# Altium PCB PCB1.PcbDoc
Units mm, origin at the board's own origin, x right, y up, seen from the top; angles counter-clockwise.
Board outline 114.43 x 63.75 mm, 2 copper layers (Top Layer, Bottom Layer); 41 components, 43 nets, 211 pads, 0 vias.
Unrouted connection lines stored in the file: 3.
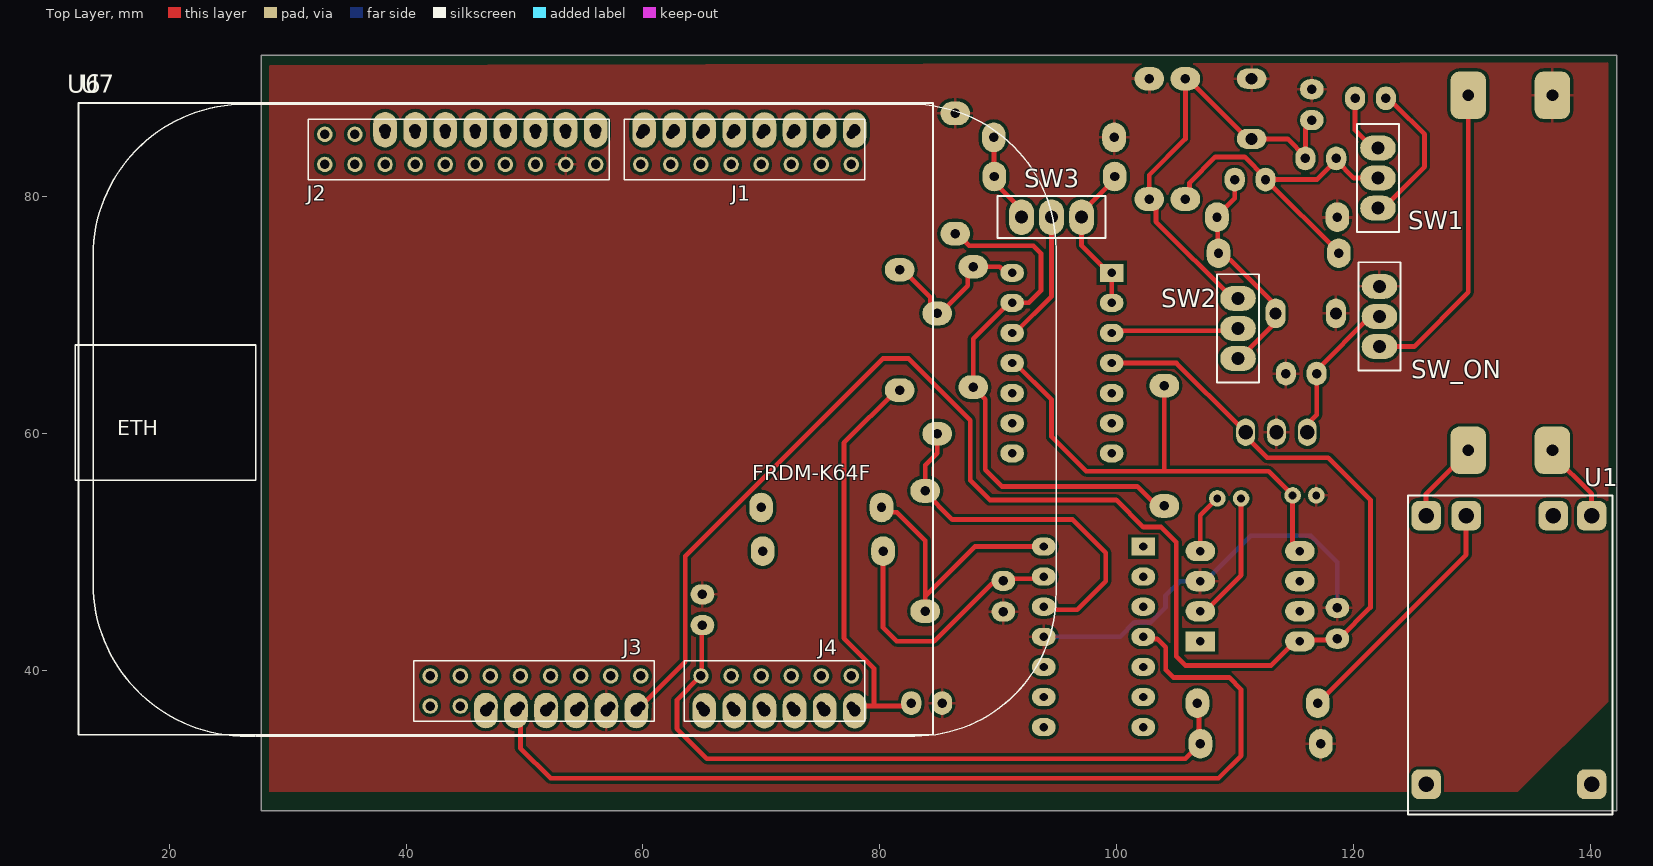
[diagram p0: Top Layer view]
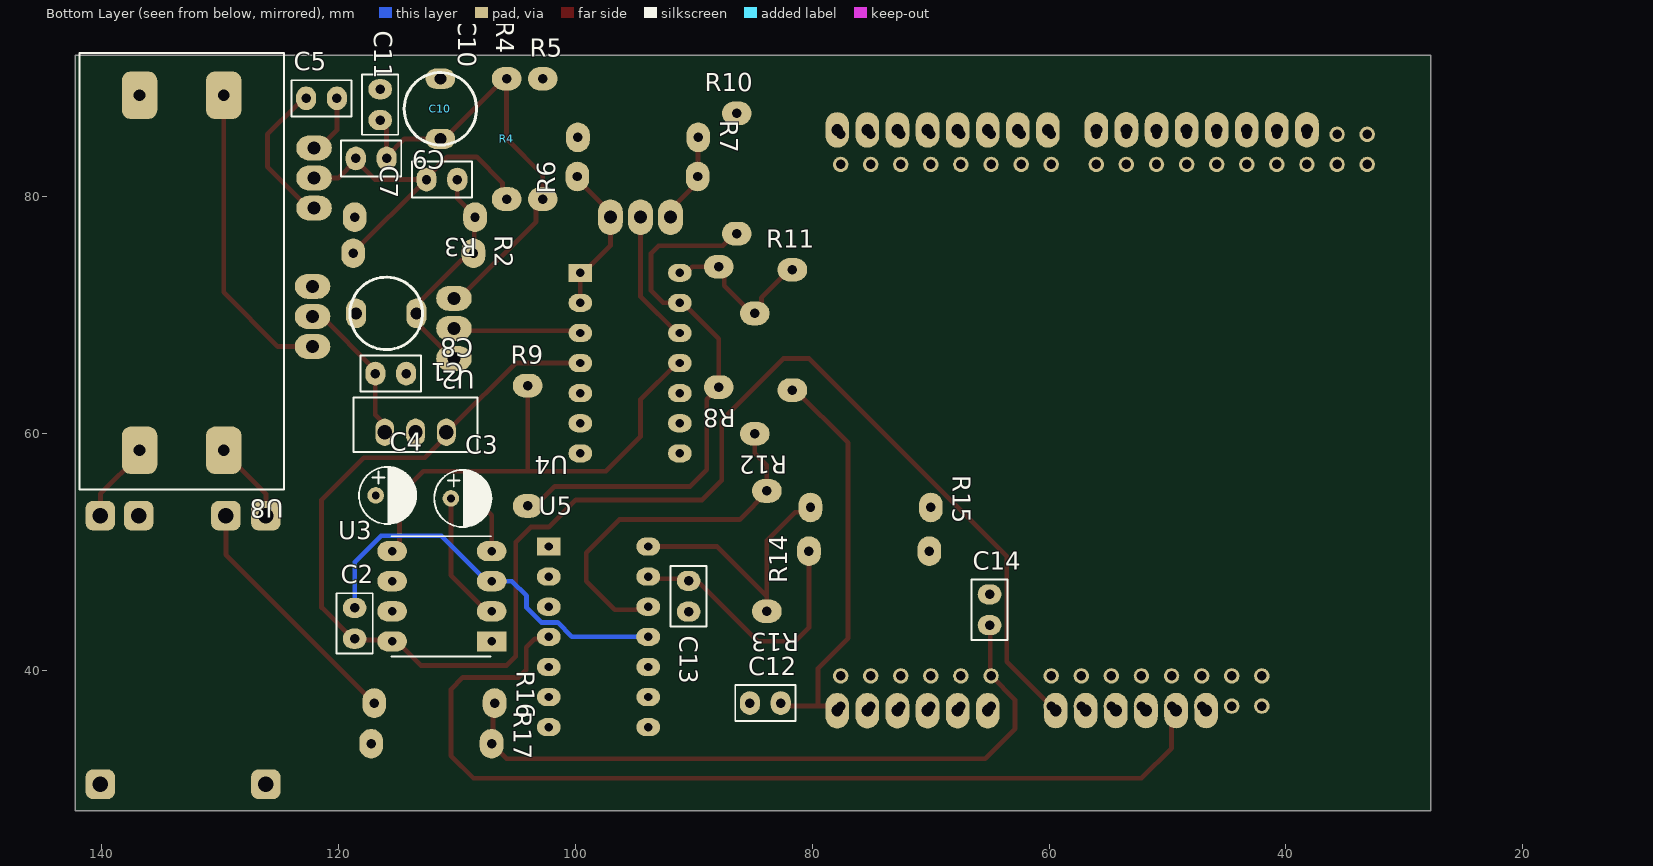
[diagram p1: Bottom Layer view, seen from below]

## Layer stack, top to bottom
Top Solder: solder mask 0.0102, Solder Resist, Dk 3.5
Top Layer: signal copper 0.0356
Dielectric 1: dielectric 0.32, FR-4, Dk 4.8
Bottom Layer: signal copper 0.0356
Bottom Solder: solder mask 0.0102, Solder Resist, Dk 3.5

## Board outline
27.787,28.123 27.787,91.877 142.214,91.877 142.214,28.123

## Design rules (kind name [scope] priority, off if disabled: settings)
Clearance [All] p1: gap=0.254 ignorepadtopadclearanceinfootprint=FALSE except(0: Arc-Hole Track-Hole SMDPad-Hole THPad-Hole Via-Hole Fill-Hole Poly-Hole Region-Hole Text-Hole)
PolygonConnect [All] p1: connectstyle=Relief reliefconductorwidth=0.254 reliefentries=4 polygonreliefangle="90 Angle" airgapwidth=0.254
RoutingVias [All] p1: holewidth=0.711 width=1.27 viastyle="Through Hole" minholewidth=0.711 minwidth=1.27 maxholewidth=0.711 maxwidth=1.27
SolderMaskExpansion [All] p1: expansion=0.102 istentingtop=FALSE
Width [All] p1: maxlimit=1 minlimit=0.254 preferedwidth=0.4 minimp=50.000000 maximp=50.000000 favimp=50.000000
30 further rules are at their usual default settings.

## Components (designator, comment, footprint, x,y, rotation, side; value= is the part's Value field where it differs from the comment)
C1 "330n" CAP_CER_THT 115.57,65.024 r180 bottom
C2 "100n" CAP_CER_THT 118.618,43.942 r90 bottom
C3 "cap" CAP_THT 109.49,54.483 r0 bottom
C4 "cap" CAP_THT 115.84,54.737 r0 bottom
C5 "100n" CAP_CER_THT 121.412,88.265 r0 bottom
C7 "3p" CAP_CER_THT 111.252,81.407 r180 bottom
C8 "30p" CAP_TRIMM_THT 115.951,70.104 r0 bottom
C9 "1p" CAP_CER_THT 117.221,83.185 r180 bottom
C10 "30p" CAP_TRIMM_THT 111.379,87.376 r90 bottom
C11 "120p" CAP_CER_THT 116.459,87.727 r90 bottom
C12 "120p" CAP_CER_THT 83.947,37.211 r0 bottom
C13 "120p" CAP_CER_THT 90.424,46.228 r270 bottom
C14 "10n" CAP_CER_THT 65.024,45.085 r90 bottom
R2 "1.8M" RES_THT 113.665,75.184 r180 bottom
R3 "200k" RES_THT 113.538,78.232 r180 bottom
R4 "2M" RES_THT 105.791,84.836 r90 bottom
R5 "20k" RES_THT 102.743,84.836 r270 bottom
R6 "300" RES_THT 94.742,81.661 r0 bottom
R7 "300" RES_THT 94.691,84.963 r180 bottom
R8 "1K" RES_THT 87.884,68.961 r90 bottom
R9 "3k" RES_THT 104.013,58.928 r90 bottom
R10 "1k5" RES_THT 86.36,81.915 r90 bottom
R11 "120" RES_THT 81.661,68.707 r90 bottom
R12 "120" RES_THT 84.836,65.024 r270 bottom
R13 "100k" RES_THT 83.82,50.038 r270 bottom
R14 "120" RES_THT 75.184,50.038 r0 bottom
R15 "1k" RES_THT 75.057,53.721 r180 bottom
R16 "220k" RES_THT 111.887,37.211 r0 bottom
R17 "470k" RES_THT 112.141,33.782 r0 bottom
SW1 "SW" SW 122.047,81.534 r270 top
SW2 "SW" SW 110.236,68.834 r90 top
SW3 "SW" SW 94.488,78.232 r180 top
SW_ON "SW" SW 122.174,69.85 r90 top
U1 "TP4056" TP0456 133.223,41.529 r270 top
U2 "L78" TO-220-3 113.478,60.071 r180 bottom
U3 "ICL7660S" "8 -PDIP" 111.252,46.482 r0 bottom
U4 "TL084CN" 14-PDIP 95.368,65.913 r180 bottom
U5 "TL084CN" 14-PDIP 98.035,42.799 r180 bottom
U6 "FRDMK64F" FRDMK64F 53.975,61.087 r0 top
U7 "Display" Display 47.395,61.209 r270 top
U8 "MT3608" MT3608 141.859,92.075 r270 bottom

## Footprints (in the part's own frame and the unit in brackets; to place one, negate y for a bottom-side part, rotate by r counter-clockwise, add the part's x,y. Pads: shape width x height; smd on the part's side, far side on the other; paste and mask are expansions set on the pad)
"8 -PDIP" [mm]
  rect 2.5x1.7 hole 0.7: 1(-4.2,4.064)
  oval 2.5x1.7 hole 0.7: 2(-4.2,1.524) 3(-4.2,-1.016) 4(-4.2,-3.556) 5(4.2,-3.556) 6(4.2,-1.016) 7(4.2,1.524) 8(4.2,4.064)
  silkscreen extent -4.14,-4.81 4.26,5.35, body extent -4.11,-4.81 4.22,5.35, height 6.51
14-PDIP [mm]
  rect 2x1.524 hole 0.7: 1(-4.2,7.62)
  oval 2x1.524 hole 0.7: 2(-4.2,5.08) 3(-4.2,2.54) 4(-4.2,0) 5(-4.2,-2.54) 6(-4.2,-5.08) 7(-4.2,-7.62) 8(4.2,-7.62) 9(4.2,-5.08) 10(4.2,-2.54) 11(4.2,0) 12(4.2,2.54) 13(4.2,5.08) 14(4.2,7.62)
  body extent -4.25,-9.53 4.25,9.53, height 5.33
CAP_CER_THT [mm]
  oval 1.7x2 hole 0.8: 1(-1.3,0) 2(1.3,0)
  silkscreen extent -2.54,-1.52 2.54,1.52, body extent -2.54,-1.52 2.54,1.66, height 9.36
CAP_THT [mm]
  round 1.4 hole 0.65: 1(-1,0) 2(1,0)
  silkscreen extent -2.41,-2.41 2.41,2.41, body extent -2.5,-2.5 2.5,2.5, height 11
CAP_TRIMM_THT [mm]
  oval 1.7x2.5 hole 1: 1(-2.54,0) 2(2.54,0)
  silkscreen extent -3.05,-3.06 3.06,3.06, body extent -3,-3 3,3, height 4.8
Display [mm]
  oval 3x2 hole 1: 1(-24.384,30.48) 2(-24.384,27.94) 3(-24.384,25.4) 4(-24.384,22.86) 5(-24.384,20.32) 6(-24.384,17.78) 7(-24.384,15.24) 8(-24.384,12.7) 9(-24.395,8.611) 10(-24.395,6.071) 11(-24.395,3.531) 12(-24.395,0.991) 13(-24.395,-1.549) 14(-24.395,-4.089) 15(-24.395,-6.629) 16(-24.395,-9.169) 17(24.633,-0.659) 18(24.633,1.881) 19(24.633,4.421) 20(24.633,6.961) 21(24.633,9.501) 22(24.633,12.041) 23(24.638,17.78) 24(24.638,20.32) 25(24.638,22.86) 26(24.638,25.4) 27(24.638,27.94) 28(24.638,30.48)
  silkscreen extent -26.67,-35.05 26.67,37.08, body extent -26.58,-35.08 26.72,37.07, height 14.26
FRDMK64F [mil]
  round 51.5 hole 31.5: J1-1(930,850) J1-2(930,950) J1-3(830,850) J1-4(830,950) J1-5(730,850) J1-6(730,950) J1-7(630,850) J1-8(630,950) J1-9(530,850) J1-10(530,950) J1-11(430,850) J1-12(430,950) J1-13(330,850) J1-14(330,950) J1-15(230,850) J1-16(230,950) J2-1(80,850) J2-2(80,950) J2-3(-20,850) J2-4(-20,950) J2-5(-120,850) J2-6(-120,950) J2-7(-220,850) J2-8(-220,950) J2-9(-320,850) J2-10(-320,950) J2-11(-420,850) J2-12(-420,950) J2-13(-520,850) J2-14(-520,950) J2-15(-620,850) J2-16(-620,950) J2-17(-720,850) J2-18(-720,950) J2-19(-820,850) J2-20(-820,950) J3-1(-470,-850) J3-2(-470,-950) J3-3(-370,-850) J3-4(-370,-950) J3-5(-270,-850) J3-6(-270,-950) J3-7(-170,-850) J3-8(-170,-950) J3-9(-70,-850) J3-10(-70,-950) J3-11(30,-850) J3-12(30,-950) J3-13(130,-850) J3-14(130,-950) J3-15(230,-850) J3-16(230,-950) J4-1(430,-850) J4-2(430,-950) J4-3(530,-850) J4-4(530,-950) J4-5(630,-850) J4-6(630,-950) J4-7(730,-850) J4-8(730,-950) J4-9(830,-850) J4-10(830,-950) J4-11(930,-850) J4-12(930,-950)
  silkscreen extent -1650,-1051 1610,1051, body extent -1687,-1040 1620,1058
MT3608 [mm]
  rrect50% 4x3 hole 1: 1(3.556,12.192) 2(3.556,5.08) 3(33.528,5.08) 4(33.528,12.192)
  silkscreen extent 0,0 36.83,17.27, body extent 0,0 37,17.4, height 7.6
RES_THT [mm]
  oval 2x2.5 hole 0.8: 1(-5.08,0) 2(5.08,0)
  body extent -5.41,-1.3 5.41,1.3, height 3.8
SW [mm] "3pin"
  oval 2.1x3 hole 1.1: 1(-2.54,0) 2(0,0) 3(2.54,0)
  silkscreen extent -4.57,-1.78 4.57,1.78, body extent -4.5,-1.8 4.5,1.8, height 5.5
TO-220-3 [mm] "TO-220-3 Full Pack"
  oval 1.6x2.3 hole 1.2: 1(-2.6,0) 2(0,0) 3(2.6,0)
  silkscreen extent -5.23,-1.67 5.23,2.95, body extent -5.21,-1.7 5.18,2.9, height 20.99
TP0456 [mm]
  rrect50% 2.5x2.5 hole 1.3: 1(-11.5,6.858) 2(-11.5,3.634) 3(-11.5,-3.739) 4(-11.5,-7.112) 5(11.176,-7.112) 6(11.176,6.858)
  silkscreen extent -13.21,-8.64 13.72,8.64, body extent -13.13,-8.55 13.77,8.55, height 4.28

## Part data
C1 C2 C5 C7 C9 C11 C12 C13 C14: library part Capacitor_THT
C3 C4: library part EEU-FC1E470, "CAP ALUM 47UF 20% 25V RADIAL TH"
C8 C10: library part CAP_TRIMM_THT
R2 R3 R4 R5 R6 R7 R8 R9 R10 R11 R12 R13 R14 R15 R16 R17: library part RES_THT
U2: library part L7805CDT-TR, "IC REG LINEAR 5V 1.5A"

## Nets (pads, with @x,y where several pads share a name; then routed paths per layer and width w, separated by ;. In a path a pad name is that pad's centre, name@x,y a point inside that pad or via, vN(x,y) a via of type N, cw(c..) or ccw(c..) an arc to the next point about the centre after c; other vN are vias at no path point)
3V3: U5.4 U6.J3-8 U7.18 | length 83
  Top Layer w0.4: U6.J3-8 49.657,33.401 52.197,30.861 108.585,30.861 110.49,32.766 110.49,38.354 109.474,39.37 104.775,39.37 104.14,40.005 104.14,41.91 103.425,42.625 102.409,42.625 U5.4
+5V: C2.1 U2.3 U3.8 U4.4 U6.J3-16 U7.19 | length 136.3
  Top Layer w0.4: U6.J3-16 63.57,40.71 63.57,49.62 80.244,66.294 82.423,66.294 87.63,61.087 87.63,56.007 89.281,54.356 99.949,54.356 102.235,52.07 103.759,52.07 105.029,50.8 105.029,41.148 105.791,40.386 113.02,40.386 115.052,42.418 U3.8 115.564,42.53 118.506,42.53 C2.1 118.768,42.642 121.412,45.286 121.412,54.356 117.856,57.912 112.687,57.912 110.878,59.721 U2.3 110.878,60.096 110.324,60.651 110.298,60.651 105.036,65.913 U4.4
-5V: C4.1 R9.2 U3.5 U4.11 | length 42.3
  Top Layer w0.4: U4.11 91.406,65.913 94.488,62.831 94.488,59.69 97.409,56.769 104.013,56.769 ; R9.2 104.013,56.769 ; U3.5 115.441,50.038 114.84,50.639 C4.1 112.808,56.769 104.013,56.769
ADC0_DP1: C14.1 R16.1 R17.1 U6.J4-1 | length 58.9
  Top Layer w0.4: C14.1 64.961,43.721 64.961,39.561 U6.J4-1 62.865,37.465 62.865,35.052 65.405,32.512 105.791,32.512 R17.1 106.934,33.909 106.934,37.084 R16.1
BAT+: R16.2 U1.3 | length 21
  Top Layer w0.4: R16.2 129.484,49.728 U1.3
BAT-: U1.2
GND: C1.2 C2.2 C4.2 C8.2 C10.2 C11.2 C12.2 C13.2 C14.2 R3.1 R5.1 R7.1 R10.2 R17.2 SW_ON.3 U2.2 U3.3 U5.11 U6.J2-3 U6.J2-14 U6.J3-12 U6.J3-14 U7.21 U8.2 | length 33.7
  Bottom Layer w0.4: U5.11 100.277,42.799 101.493,44.015 102.869,44.015 104.106,45.253 104.106,46.26 105.344,47.498 U3.3 107.452,47.498 111.296,51.342 116.392,51.342 118.618,49.116 C2.2
Input: C5.1 SW1.1 | length 5.3
  Top Layer w0.4: C5.1 120.112,85.559 121.597,84.074 SW1.1
NetC1_1: C1.1 SW_ON.2 U2.1 | length 12.8
  Top Layer w0.4: U2.1 116.078,60.746 116.87,61.538 116.87,65.308 121.412,69.85 SW_ON.2
NetC3_1: C3.1 U3.4 | length 5
  Top Layer w0.4: U3.4 107.052,53.045 C3.1
NetC3_2: C3.2 U3.2 | length 11.2
  Top Layer w0.4: U3.2 107.452,44.958 110.49,47.996 C3.2
NetC5_2: C5.2 SW1.3 | length 12.7
  Top Layer w0.4: SW1.3 122.497,78.994 125.984,82.481 125.984,85.217 123.524,87.677 123.502,87.677 122.914,88.265 C5.2
NetC7_1: C7.1 C9.1 R2.1 R4.1 SW1.2 | length 29.4
  Top Layer w0.4: R4.1 106.139,80.104 106.139,81.12 108.331,83.312 110.797,83.312 112.552,81.557 C7.1 C7.1@112.587,81.407 ; C9.1 C9.1@118.521,83.035 ; R2.1 118.745,75.249 C7.1@112.587,81.407 ; SW1.2 120.022,81.534 C9.1@118.521,83.035 ; C7.1@112.587,81.407 116.893,81.407 C9.1@118.521,83.035
NetC7_2: C7.2 C8.1 R2.2 R3.2 SW2.1 | length 19.4
  Top Layer w0.4: C7.2 109.952,79.807 108.458,78.313 R3.2 108.521,78.168 108.521,75.248 R2.2 109.141,74.628 109.559,74.628 113.411,70.776 C8.1 113.411,69.362 110.343,66.294 SW2.1
NetC9_2: C9.2 C10.1 C11.1 R4.2 R5.2 SW2.3 | length 39.5
  Top Layer w0.4: SW2.3 109.786,71.374 103.299,77.861 103.299,79.2 R5.2 102.743,81.788 105.791,84.836 R4.2 105.97,89.916 111.05,84.836 C10.1 114.42,84.836 C9.2@115.921,83.335 ; C9.2@115.887,83.218 C9.2 C9.2@115.921,83.335 ; C11.1 116.459,86.225 115.921,85.687 C9.2@115.921,83.335
NetC13_1: C13.1 R14.2 U5.13 | length 22.5
  Top Layer w0.4: R14.2 80.264,43.561 81.407,42.418 84.582,42.418 89.443,47.279 90.175,47.279 C13.1 ; C13.1@90.6,47.703 93.66,47.703 U5.13
NetR6_1: R6.1 R7.2 SW3.3 | length 7.7
  Top Layer w0.4: R7.2 89.636,84.937 89.636,81.687 R6.1 89.662,81.189 91.948,78.903 SW3.3
NetR6_2: R6.2 SW3.1 U4.1 U4.2 | length 12.8
  Top Layer w0.4: U4.2 U4.1 99.33,73.533 97.028,75.835 SW3.1 97.028,78.649 R6.2@99.822,81.443
NetR8_1: R8.1 R9.1 R10.1 U4.13 | length 46.6
  Top Layer w0.4: R10.1 86.509,76.835 87.525,75.819 92.964,75.819 93.599,75.184 93.599,72.009 92.583,70.993 90.93,70.993 87.884,67.947 87.884,63.863 88.9,62.847 88.9,56.896 90.297,55.499 101.727,55.499 R9.1@104.013,53.213
NetR12_2: R12.2 R13.1 U5.12 | length 31.5
  Top Layer w0.4: R13.1@83.693,55.131 86.119,52.705 96.261,52.705 99.06,49.906 99.06,47.498 96.647,45.085 94.869,45.085 94.83,45.124 94.05,45.124 U5.12 ; R13.1 83.82,57.301 84.836,58.317 R12.2
NetR13_2: R13.2 R15.1 U5.14 | length 22.6
  Top Layer w0.4: R15.1 80.549,53.309 81.438,53.309 83.82,50.927 83.82,46.232 ; R13.2 83.82,46.232 ; U5.14 88.007,50.419 83.82,46.232
NetSW2_2: SW2.2 U4.3 | length 10.8
  Top Layer w0.4: U4.3 99.758,68.644 110.045,68.644 SW2.2
NetSW3_2: SW3.2 U4.12 | length 11.3
  Top Layer w0.4: U4.12 91.406,68.453 94.488,71.535 SW3.2
NetSW_ON_1: SW_ON.1 U8.1 | length 26
  Top Layer w0.4: SW_ON.1 125.095,67.31 129.667,71.882 U8.1
NetU1_1: U1.1 U8.3 | length 6.9
  Top Layer w0.4: U8.3 136.779,58.181 140.081,54.879 U1.1
NetU1_4: U1.4 U8.4 | length 7
  Top Layer w0.4: U1.4 126.111,54.879 128.319,57.087 128.409,57.087 129.667,58.345 U8.4
Out_offset: R8.2 R11.2 R12.1 U4.14 | length 14
  Top Layer w0.4: R11.2 81.911,73.787 84.28,71.418 84.28,70.66 R12.1 85.086,70.104 87.423,72.441 87.423,73.58 R8.2 90.118,74.041 90.626,73.533 U4.14
PTA1: U6.J1-8 U7.4
PTA2: U6.J1-12 U7.6
PTB2: U6.J4-2 U7.23
PTB3: U6.J4-4 U7.24
PTB9: U6.J1-6 U7.3
PTB10: U6.J4-6 U7.25
PTB11: U6.J4-8 U7.26
PTB23: U6.J1-10 U7.5
PTC2: U6.J1-14 U7.7
PTC3: U6.J1-16 U7.8
PTC4: U6.J2-4 U7.10
PTC10: C12.1 R11.1 U6.J4-12 | length 35
  Top Layer w0.4: U6.J4-12 79.375,36.957 ; R11.1 81.411,63.627 76.962,59.178 76.962,42.672 79.502,40.132 79.502,37.084 79.375,36.957 ; C12.1 82.393,36.957 79.375,36.957
PTC11: U6.J4-10 U7.27
PTC12: U6.J2-2 U7.9
PWM: R14.1
TRIG: R15.2
pads on no net: U1.5 U1.6 U3.1 U3.6 U3.7 U4.5 U4.6 U4.7 U4.8 U4.9 U4.10 U5.1 U5.2 U5.3 U5.5 U5.6 U5.7 U5.8 U5.9 U5.10 U6.J1-1 U6.J1-2 U6.J1-3 U6.J1-4 U6.J1-5 U6.J1-7 U6.J1-9 U6.J1-11 U6.J1-13 U6.J1-15 U6.J2-1 U6.J2-5 U6.J2-6 U6.J2-7 U6.J2-8 U6.J2-9 U6.J2-10 U6.J2-11 U6.J2-12 U6.J2-13 U6.J2-15 U6.J2-16 U6.J2-17 U6.J2-18 U6.J2-19 U6.J2-20 U6.J3-1 U6.J3-2 U6.J3-3 U6.J3-4 U6.J3-5 U6.J3-6 U6.J3-7 U6.J3-9 U6.J3-10 U6.J3-11 U6.J3-13 U6.J3-15 U6.J4-3 U6.J4-5 U6.J4-7 U6.J4-9 U6.J4-11 U7.1 U7.2 U7.11 U7.12 U7.13 U7.14 U7.15 U7.16 U7.17 U7.20 U7.22 U7.28

## Polygon pours and split planes (outlines as drawn)
GND on Top Layer "NONET_L-01_P-001" (solid, pour order 0): 28.321,91.059 28.448,90.932 28.448,29.718 133.858,29.718 141.478,37.338 141.478,91.313

## Text inside footprints (layer, text, board x,y; h text height)
U6: Top Overlay "FRDM-K64F" at 69.215,56.007 h1.27; Top Overlay "ETH" at 15.621,59.817 h1.27; Top Overlay "J3" at 58.293,41.275 h1.27; Top Overlay "J4" at 74.803,41.275 h1.27; Top Overlay "J2" at 31.623,79.629 h1.27; Top Overlay "J1" at 67.437,79.629 h1.27